# Altium PCB PCB_Amplifier_mini.PcbDoc (part 2 of 2)
Units mm, origin at the board's own origin, x right, y up, seen from the top; angles counter-clockwise.
Board outline 75.73 x 87.25 mm, 4 copper layers (Top Layer, GND, VDD, Bottom Layer); 213 components, 159 nets, 674 pads, 328 vias.
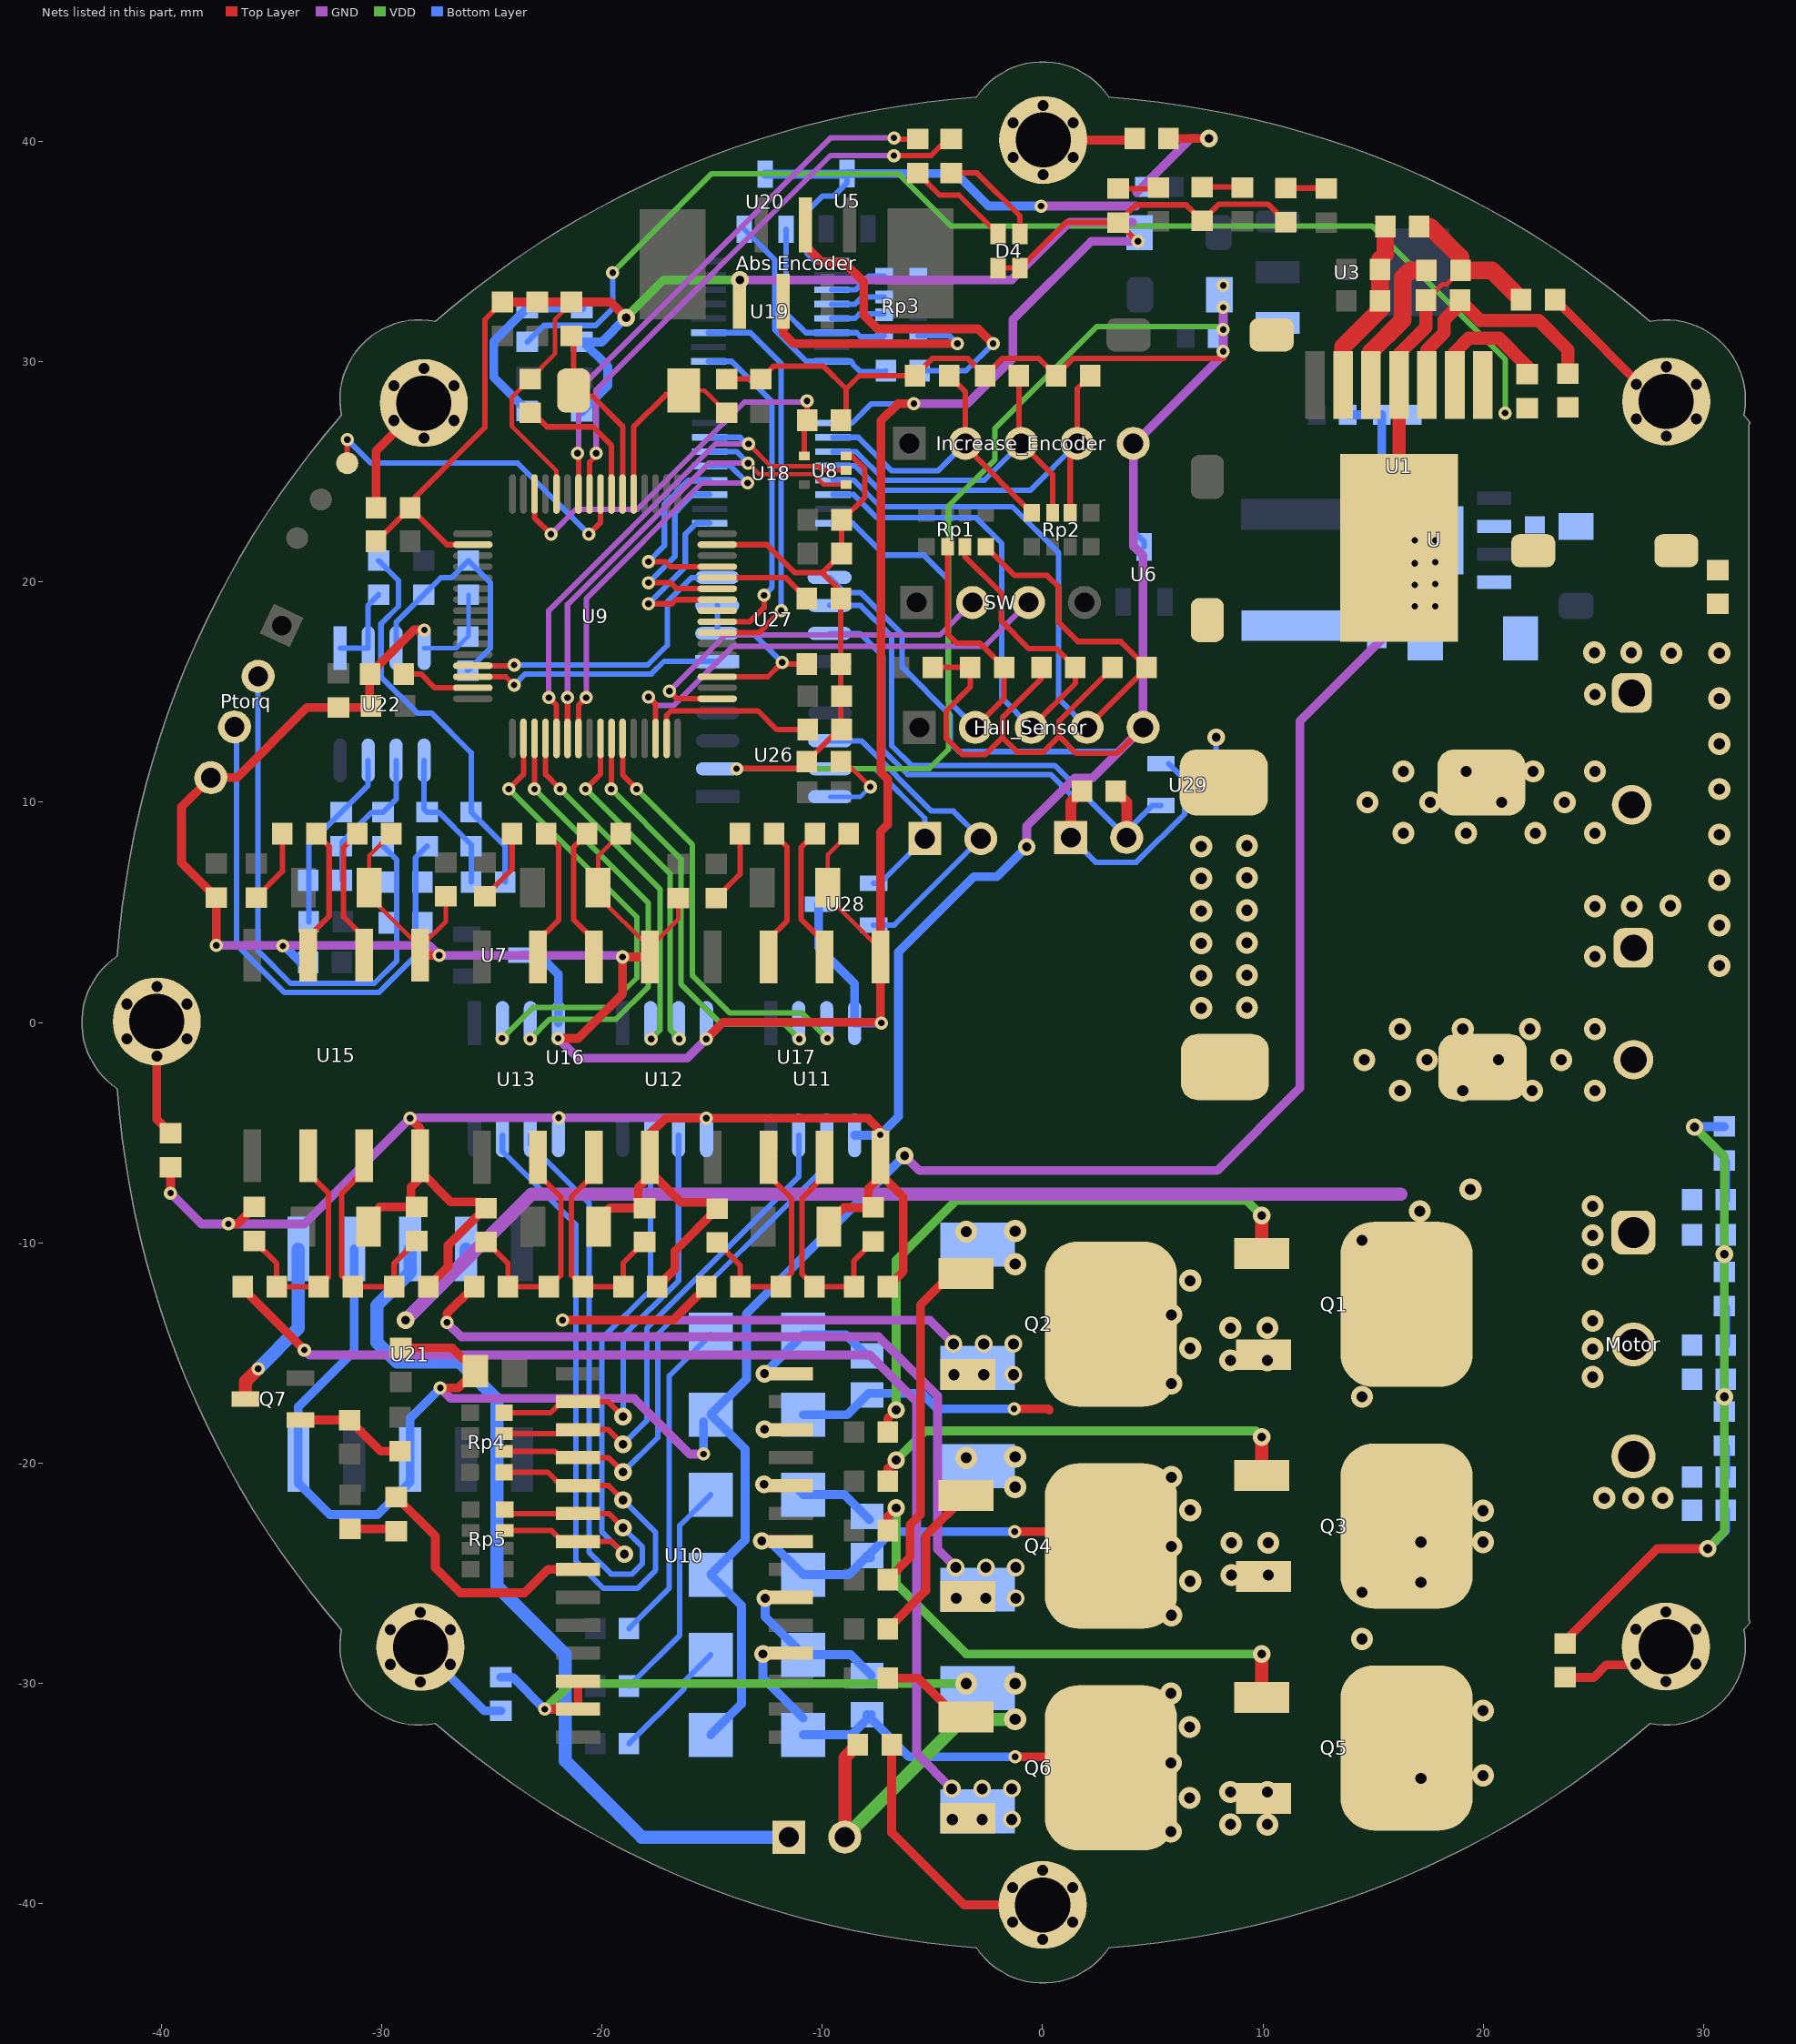
[diagram p4: the nets of this part, all layers, seen from the top]

## Via types
v1: diameter 0.6, hole 0.3, Top Layer to Bottom Layer, 125 vias
v2: diameter 1, hole 0.5, Top Layer to Bottom Layer, 109 vias
v3: diameter 0.8, hole 0.5, Top Layer to Bottom Layer, 60 vias
v4: diameter 0.8, hole 0.4, Top Layer to Bottom Layer, 34 vias

## Nets (pads, with @x,y where several pads share a name; then routed paths per layer and width w, separated by ;. In a path a pad name is that pad's centre, name@x,y a point inside that pad or via, vN(x,y) a via of type N, cw(c..) or ccw(c..) an arc to the next point about the centre after c; other vN are vias at no path point) (continued)
GND: "Abs Encoder.6" Brake.2 C1.1 C2.1 C3.2 C4.2 C5.2 C6.1 C7.1 C8.1 C9.1 C10.1 C11.1 C12.1 C24.1 C30.1 C32.1 C33.1 C34.1 C35.1 C40.1 C42.1 C43.1 C44.1 C45.1 C50.1 C52.1 C53.1 C54.1 C55.1 C60.1 C61.1 C62.1 C63.1 C64.1 C65.1 C66.1 C67.1 C70.2 C71.1 C73.2 C74.2 C75.1 C76.1 C77.2 C79.1 C80.1 C88.1 C91.1 C92.1 C93.1 C94.1 C95.1 C96.1 C97.1 C140.1 C153.1 Cin1.2 Cin2.2 Cin.1 Co2.1 Co4.1 Co6.1 Cout.2 Css.1 D1.K D2.K D3.K D4.3 D4.4 D6.1 D8.1 D10.1 Hall_Sensor.5 Increase_Encoder.5 Ptorq.4 R1.1 R2.1 R3.2 R5.2 R26.1 R27.1 R28.1 R31.1 R32.1 R33.1 R35.1 R37.2 R45.1 R47.2 R55.1 R57.2 R76.1 R86.1 R102.1 Renb.1 Rfbb.1 T1.1 U1.4 U1.8 U3.3 U5.3 U6.3 U7.3 U8.3 U9.12 U9.18 U9.63 U10.12 U10.13 U11.4 U11.5 U12.4 U12.5 U13.4 U13.5 U15.4 U15.5 U16.4 U16.5 U17.4 U17.5 U18.9 U19.9 U20.3 U21.2 U21.8 U21.10 U22.4 U26.2 U27.5 U28.3 U29.3 U.6 U.9 Vin_I.1 Vin_II.1 | length 741.9
  Top Layer w0.2: R37.2@-29.58,8.575 -30.585,7.57 C34.1@-30.585,6.125 -30.585,5.735 -28.265,3.415 -27.1,4.58 C45.1@-27.1,5.73 ; U9.12@-22.075,24 -22.075,25.05 -24.1,27.075 -24.1,28.403 C3.2@-23.275,29.228 -22.15,30.353 -22.15,31.925 C4.2@-21.55,32.525 ; R47.2@-19.155,8.575 -20.185,7.545 C44.1@-20.185,6.125 -20.185,5.735 -17.84,3.39 -16.55,4.68 C55.1@-16.55,5.655 ; R57.2@-8.805,8.575 -9.76,7.62 C54.1@-9.76,6.125 -9.76,5.71 U17.5@-7.365,3.315 ; Renb.1@17.425,32.8 18.15,33.525 18.345,33.525 Css.1@18.97,34.15
  Top Layer w0.25: C10.1@-30.27,21.85 -30.255,21.85 C93.1@-28.73,23.375 -28.73,23.62 -25.325,27.025 -25.325,31.92 C11.1@-24.525,32.72 ; C93.1@-28.725,23.375 -27.05,21.7 U9.18@-25.875,21.7 ; U9.63@-14.775,21.7 -12.525,21.7 -11.25,20.425 -10.005,20.425 ; C5.2@-14.35,29.228 C6.1@-12.8,29.228 -12.228,29.8 -9.95,29.8 -8.925,28.775 ; v1(-13.9,11.525) -13.875,11.55 -11.005,11.55 R5.2@-10.705,11.85 -9.22,13.335 -9.165,13.335 R1.1@-9.165,19.25 -9.165,19.585 -10.005,20.425 ; U8.3@-8.925,25.725 -8.675,25.725 -8.075,25.125 -8.075,23.85 -9.1,22.825 C60.1@-9.13,22.825 C7.1@-9.13,21.3 -10.005,20.425 ; R2.1@-8.925,27.35 -8.925,28.775 ; C61.1@-4.98,16.125 C62.1@-3.287,16.125 -3.287,15.238 -4.375,14.15 -4.375,12.9 -3.65,12.175 -2.6,12.175 -1.825,12.95 ; D4.4@-2.025,34.26 D4.3@-1.025,34.26 1.045,36.33 D3.K@3.425,36.33 ; C63.1@-0.053,16.125 -0.053,15.622 -1.825,13.85 -1.825,12.95 ; C64.1@3.18,16.125 0.75,13.695 0.75,13 ; v1(4.325,35.475) 4.28,35.475 D3.K@3.425,36.33 ; Hall_Sensor.5@4.56,13.4 3.385,12.225 1.525,12.225 0.75,13 ; 8.215,30.165 1.4,30.165 C67.1@0.61,29.375 -0.165,30.15 -1.84,30.15 C66.1@-2.615,29.375 -3.39,30.15 -5.015,30.15 C65.1@-5.79,29.375 -8.325,29.375 -8.925,28.775 ; D1.K@11.047,36.355 10.232,37.17 8.001,37.17 D2.K@7.236,36.405 6.511,37.13 4.225,37.13 D3.K@3.425,36.33 ; -1.825,12.95 -1.15,12.275 0.025,12.275 0.75,13
  Top Layer w0.4: v1(-39.6,-7.75) C94.1@-39.6,-6.57 ; v1(-37.525,3.5) C35.1@-37.525,5.68 -39.1,7.255 -39.1,9.789 Ptorq.4@-37.77,11.119 -36.581,11.119 -33.395,14.305 C140.1@-31.975,14.305 -30.565,14.305 -30.565,15.805 C2.1@-30.545,15.825 -28.545,17.825 v1(-28.075,17.825) ; v1(-36.975,-9.15) -36.57,-9.15 C33.1@-35.8,-8.38 ; C30.1@-30.61,-9.275 -30.61,-8.885 -30.105,-8.38 C32.1@-28.425,-8.38 -28.675,-8.13 -28.675,-7.475 -28.265,-7.065 U15.4@-28.265,-6.76 ; C153.1@-29.15,-14.78 -26.81,-14.78 C24.1@-25.765,-15.825 -26.54,-16.6 v1(-27.35,-16.6) ; v1(-28.725,-4.35) -28.265,-4.81 U15.4@-28.265,-6.05 U15.4@-28.265,-6.76 ; U15.5@-28.265,3.05 v1(-27.4,3.05) ; R35.1@-27.905,-12 -27,-11.095 -27,-10.125 -25.555,-8.68 -25.555,-8.15 -26.875,-8.15 U15.4@-28.265,-6.76 ; C11.1@-24.525,32.72 C12.1@-22.95,32.72 C4.2@-21.4,32.72 -19.62,32.72 v4(-18.912,32.013) ; v1(-22.61,-31.19) U10.13@-21.1,-31.19 U10.12@-21.1,-29.92 ; v1(-22,-0.725) -21.1,-0.725 -19.075,1.3 v1(-19.075,2.975) U16.5@-17.84,2.975 ; C40.1@-20.16,-9.275 -20.16,-8.935 -19.655,-8.43 C42.1@-18.075,-8.43 -18.375,-8.13 -18.375,-7.525 -17.84,-6.99 U16.4@-17.84,-6.76 ; R45.1@-17.505,-12 -16.7,-11.195 -16.7,-10.38 C53.1@-14.775,-8.455 ; v1(-15.275,-0.75) -14.51,0.015 -7.365,0.015 U17.5@-7.365,2.975 -7.365,3.315 -7.365,8.66 -7.04,8.985 -7.04,11.048 -7.345,11.353 -7.345,27.33 -6.575,28.1 v1(-5.85,28.1) ; C53.1@-15.055,-8.175 -16.425,-8.175 U16.4@-17.84,-6.76 ; C50.1@-9.71,-9.275 -9.71,-9.085 -9.03,-8.405 C52.1@-7.7,-8.405 -7.925,-8.18 -7.925,-7.575 -7.365,-7.015 U17.4@-7.365,-6.885 ; U17.4@-7.365,-6.125 U17.4@-7.365,-6.885 ; v1@-7.365,-4.91 -7.925,-4.35 v1(-15.275,-4.35) -17.125,-4.35 -17.84,-5.065 U16.4@-17.84,-6.125 U16.4@-17.84,-6.76 ; R55.1@-7.03,-12 -6.325,-11.295 -6.325,-7.925 U17.4@-7.365,-6.885 ; C92.1@5.72,40.15 v4(7.55,40.15) ; C97.1@23.725,-28.205 23.725,-28.075 27.9,-23.9 v4(30.2,-23.9)
  Top Layer w0.6: Brake.2@-8.985,-37 -8.985,-33.39 C96.1@-8.395,-32.8 ; U1.8@16.175,23.05 16.175,30.35 17.405,31.58 Renb.1@17.405,32.8
  Top Layer w0.8: Rfbb.1@17.095,36.15 17.575,36.15 18.97,34.755 Css.1@18.97,34.15 20.405,34.15 C91.1@21.73,32.825
  GND w0.4: v1(-39.6,-7.75) -38.2,-9.15 v1(-36.975,-9.15) -33.525,-9.15 v1(-28.725,-4.35) -28.7,-4.325 v1(-21.975,-4.325) -15.3,-4.325 v1(-15.275,-4.35) ; v1(-37.525,3.5) -27.85,3.5 v1(-27.4,3.05) -19.15,3.05 v1(-19.075,2.975) ; v1(-27.35,-16.6) -26.875,-17.075 -18.55,-17.075 -16.025,-19.6 v1(-15.4,-19.6) v1@-15.425,-19.575 ; v1(-22,-0.725) -21.1,-1.625 -16.15,-1.625 v1(-15.275,-0.75) ; v4(-13.75,33.725) -1.4,33.725 1.225,36.35 4.075,36.35 ; v4(-6.275,-6.05) -5.6,-6.725 7.925,-6.725 11.675,-2.975 11.675,13.675 v1(16.9,18.9) ; v1(-5.85,28.1) -3.425,28.1 -1.35,30.175 -1.35,31.925 2.2,35.475 v1(4.325,35.475) ; v4(-0.725,7.975) -0.725,8.925 1.45,11.1 2.26,11.1 Hall_Sensor.5@4.56,13.4 4.56,21.19 4.125,21.625 4.125,26.25 8.2,30.325 v1(8.2,32.475) ; v1(-0.075,37.075) 4.25,37.075 ; 4.275,37.7 6.725,40.15 v4(7.55,40.15)
  VDD w0.25: v1(-13.9,11.525) -5.15,11.525 -4.275,12.4 -4.275,23.45 -2.175,25.55 -2.175,26.975 2.46,31.61 8.065,31.61 v1(8.2,31.475)
  VDD w0.4: v1(-22.61,-31.19) -21.445,-30.025 v2(-3.475,-30.025) ; v4(-18.912,32.013) -17.2,33.725 v4(-13.75,33.725) ; v4(29.6,-4.75) 30.95,-6.1 v4(30.95,-17) 30.95,-23.13 30.19,-23.89 v4(30.2,-23.9)
  VDD w0.6: Brake.2@-8.985,-37 -3.635,-31.65 v2(-1.25,-31.65)
  Bottom Layer w0.2: U22.4@-28.09,17 -26.62,17 C80.1@-26.1,17.52 -26.075,17.545 R86.1@-26.075,19.43
  Bottom Layer w0.25: U27.5@-9.675,20.21 -8.99,19.525 -8.27,19.525 -6.375,17.63 -6.375,16.135 -4.2,13.96 -4.2,12.7 -3.8,12.3 3.46,12.3 Hall_Sensor.5@4.56,13.4 ; U19.9@-9.575,34.575 -10.35,34.575 -10.7,34.925 -10.7,36.825 -10,37.525 -9.5,37.525 -8.875,38.15 U5.3@-8.875,38.55 ; U18.9@-9.525,27.225 -8.65,27.225 -7.775,28.1 v1(-5.85,28.1) ; Increase_Encoder.5@4.125,26.285 4.125,22.325 4.6,21.85 U6.3@4.6,21.6 ; U29.3@7.875,10.8 v4(7.875,12.95)
  Bottom Layer w0.4: v1@-34.4,3.425 -33.7,2.725 C88.1@-33.355,2.725 ; U21.2@-31.26,-10.29 -31.26,-14.91 -33.8,-17.45 U21.10@-33.8,-19.85 -33.8,-20.925 -32.375,-22.35 -30.2,-22.35 -28.72,-20.87 U21.8@-28.72,-19.85 -28.72,-17.97 v1(-27.35,-16.6) ; C95.1@-24.6,-29.73 -24.07,-29.73 v1(-22.61,-31.19) ; U7.3@-23.65,3.05 -22.85,3.05 -21.99,2.19 U13.4@-21.99,-0.025 ; C79.1@-20.925,27.745 -19.75,28.92 -19.75,29.8 R102.1@-20.855,30.905 ; R102.1@-20.925,30.905 R102.1@-20.855,30.905 ; v4(-18.912,32.013) -20.02,30.905 R102.1@-20.855,30.905 ; v1(-15.4,-19.6) D6.1@-15.4,-18.135 ; D10.1@-15.075,-32.35 -13.675,-30.95 -13.675,-26.48 D8.1@-15.075,-25.08 -13.51,-23.515 -13.51,-19.375 D6.1@-15.075,-17.81 -13.45,-16.185 -13.45,-13.225 v4(-6.275,-6.05) ; U20.3@-12.6,38.525 U5.3@-8.9,38.525 ; U28.3@-10.175,5.375 -10.175,3.4 -8.54,1.765 U11.4@-8.54,-0.025 v1(-7.325,-0.025) ; U5.3@-8.875,38.55 -3.925,38.55 -2.45,37.075 v1(-0.075,37.075) ; U11.5@-8.54,-5.125 -7.4,-5.125 v1(-7.375,-5.1) -6.55,-4.275 -6.55,3.2 -3.125,6.625 -2.075,6.625 v4(-0.725,7.975) ; v4@29.62,-4.73 R31.1@30.95,-4.73 ; v4(30.2,-23.9) 31.02,-23.08 Co6.1@31.02,-22.15
  other v1: -34.5,3.475 17.825,18.9 16.9,19.875 17.825,19.917 16.9,20.85 17.825,20.908 16.9,21.9 17.825,21.9 8.2,30.475 8.2,33.475
  other v2: -1.25,-30.025 -1.25,-21.1 -3.475,-19.775 -1.25,-19.725 -1.25,-10.975 -3.475,-9.5 -1.25,-9.475 7.2,0.65 9.275,0.675 7.2,2.122 9.275,2.147 30.725,2.575 25.075,3 7.2,3.594 9.275,3.619 30.725,4.411 7.2,5.066 9.275,5.091 25.075,5.275 26.75,5.275 28.5,5.3 30.725,6.471 7.2,6.538 9.275,6.563 7.2,8 9.275,8.025 30.725,8.532 30.725,10.593 30.725,12.654 30.725,14.714 25.075,14.9 28.55,16.775 30.725,16.775 25.05,16.8 26.725,16.8
  other v4: 30.95,-10.525
HIN1: Rp4.4 U10.2 U12.6 | length 19.7
  Top Layer w0.25: Rp4.4@-24.455,-17.725 -22.35,-17.725 -21.845,-17.22 U10.2@-21.1,-17.22 -19.73,-17.22 v4(-19.05,-17.9)
  Bottom Layer w0.25: v4(-19.05,-17.9) -19.05,-14.25 -16.535,-11.735 U12.6@-16.535,-5.125
HIN2: Rp4.3 U10.3 U11.7 | length 23.1
  Top Layer w0.25: Rp4.3@-24.455,-18.675 -22,-18.675 -21.815,-18.49 U10.3@-21.1,-18.49 -19.723,-18.49 v4(-19.05,-19.163)
  Bottom Layer w0.25: v4(-19.05,-19.163) -17.975,-18.088 -17.975,-13.9 -11.08,-7.005 U11.7@-11.08,-5.125
HIN3: Rp4.2 U10.4 U11.6 | length 24.9
  Top Layer w0.25: Rp4.2@-24.455,-19.475 -22.15,-19.475 -21.865,-19.76 U10.4@-21.1,-19.76 -19.715,-19.76 v4(-19.05,-20.425)
  Bottom Layer w0.25: v4(-19.05,-20.425) -17.475,-18.85 -17.475,-14.15 -9.81,-6.485 U11.6@-9.81,-5.125
LIN1: Rp4.1 U10.5 U13.7 | length 34.9
  Top Layer w0.25: Rp4.1@-24.455,-20.425 -22.475,-20.425 -21.87,-21.03 U10.5@-21.1,-21.03 -19.707,-21.03 v4(-19.05,-21.688)
  Bottom Layer w0.25: U13.7@-24.53,-5.125 -24.53,-5.845 -21.2,-9.175 -21.2,-24.45 -19.95,-25.7 -18.4,-25.7 -17.575,-24.875 -17.575,-23.163 v4(-19.05,-21.688)
LIN2: Rp5.4 U10.6 U13.6 | length 30.5
  Top Layer w0.25: Rp5.4@-24.255,-22.3 U10.6@-21.1,-22.3 -19.7,-22.3 v4(-19.05,-22.95)
  Bottom Layer w0.25: U13.6@-23.26,-5.125 -23.26,-5.54 -20.6,-8.2 -20.6,-24.05 -19.6,-25.05 -18.65,-25.05 -18.175,-24.575 -18.175,-23.825 v4(-19.05,-22.95)
LIN3: Rp5.3 U10.7 U12.7 | length 26.2
  Top Layer w0.25: Rp5.3@-24.43,-23.075 -22.3,-23.075 -21.805,-23.57 U10.7@-21.1,-23.57 -19.58,-23.57 v4(-19,-24.15)
  Bottom Layer w0.25: v4(-19,-24.15) -20.025,-23.125 -20.025,-14.375 -17.805,-12.155 U12.7@-17.805,-5.125
NetBrake_1: Brake.1 U21.3 | length 40.7
  Bottom Layer w0.6: U21.3@-28.72,-10.29 -28.72,-11.345 -30.225,-12.85 -30.225,-14.525 -29.325,-15.425 -26.475,-15.425 -24.775,-17.125 -24.775,-25.6 -21.675,-28.7 -21.675,-33.525 -18.2,-37 Brake.1@-11.525,-37
NetC1_2: C1.2 U9.47 | length 7.9
  Top Layer w0.25: U9.47@-17.075,12.9 -17.075,13.95 -16.875,14.15 -12.925,14.15 -12.075,13.3 C1.2@-10.67,13.3
NetC2_2: C2.2 U9.31 | length 3.4
  Top Layer w0.25: C2.2@-29.005,15.825 -28.225,15.825 -27.6,15.2 U9.31@-25.875,15.2
NetC3_1: C3.1 U9.7 | length 6.5
  Top Layer w0.25: C3.1@-23.275,27.688 -23.138,27.688 -22.5,27.05 -20.425,27.05 -19.575,26.2 U9.7@-19.575,24
NetC4_1: C4.1 U9.6 Y1.1 | length 8.2
  Top Layer w0.25: Y1.1@-21.3,28.45 -20.45,28.45 -19.075,27.075 U9.6@-19.075,24 ; Y1.1@-21.3,28.7 C4.1@-21.3,31.08
NetC5_1: C5.1 U9.5 Y1.2 | length 8.3
  Top Layer w0.2: Y1.2@-16.3,28.7 -15.362,28.7 C5.1@-14.35,27.688
  Top Layer w0.25: U9.5@-18.575,24 -18.575,27.05 -17.1,28.525 Y1.2@-16.3,28.525
NetC21_1: C21.1 D5.2 U10.28 | length 5.8
  Bottom Layer w0.4: v4(-12.625,-15.95) -12.625,-15.925 D5.2@-10.875,-14.175 -8.935,-14.175 C21.1@-7.975,-15.135
NetC22_1: C22.1 D7.2 U10.24 | length 6.6
  Top Layer w0.6: v4@-12.595,-21.03 U10.24@-11.425,-21.03
  Bottom Layer w0.4: v4(-12.65,-20.975) -11.345,-20.975 D7.2@-10.875,-21.445 -9.005,-21.445 C22.1@-7.87,-22.58
NetC23_1: C23.1 D9.2 U10.20 | length 6.8
  Bottom Layer w0.4: v4(-12.6,-26.15) -12.6,-26.99 D9.2@-10.875,-28.715 -8.72,-28.715 C23.1@-7.775,-29.66
NetC31_1: C31.1 C32.2 R35.2 U15.3 | length 10.3
  Top Layer w0.25: U15.3@-30.805,-6.73 -31.825,-7.75 -31.825,-11.505 C31.1@-31.33,-12 R35.2@-29.445,-12 -29.445,-10.94 C32.2@-28.425,-9.92
NetC31_2: C31.2 C33.2 R34.2 U15.2 | length 10.1
  Top Layer w0.25: C33.2@-35.8,-9.92 -34.78,-10.94 R34.2@-34.78,-12 C31.2@-32.87,-12 -32.425,-11.555 -32.425,-7.75 U15.2@-33.345,-6.83
NetC41_1: C41.1 C42.2 R45.2 U16.3 | length 10
  Top Layer w0.25: U16.3@-20.38,-6.905 -21.4,-7.925 -21.4,-11.48 C41.1@-20.88,-12 R45.2@-19.045,-12 -19.045,-10.92 -18.095,-9.97 C42.2@-18.075,-9.97
NetC41_2: C41.2 C43.2 R44.2 U16.2 | length 10.1
  Top Layer w0.25: C43.2@-25.275,-9.97 -25.255,-9.97 -24.28,-10.945 R44.2@-24.28,-12 C41.2@-22.42,-12 -22.4,-12 -21.875,-11.475 -21.875,-7.925 U16.2@-22.92,-6.88
NetC51_1: C51.1 C52.2 R55.2 U17.3 | length 9.9
  Top Layer w0.25: U17.3@-9.905,-6.955 -10.925,-7.975 -10.925,-11.43 C51.1@-10.355,-12 R55.2@-8.57,-12 -8.57,-10.815 C52.2@-7.7,-9.945
NetC51_2: C51.2 C53.2 R54.2 U17.2 | length 10
  Top Layer w0.25: C53.2@-14.775,-9.995 -13.73,-11.04 R54.2@-13.73,-12 C51.2@-11.895,-12 -11.895,-11.87 -11.4,-11.375 -11.4,-8 U17.2@-12.445,-6.955
NetC62_2: C62.2 Hall_Sensor.2 Rp1.2 U18.16 | length 24
  Top Layer w0.25: Rp1.2@-4.325,21.605 -4.325,17.65 -3.9,17.225 -2.847,17.225 C62.2@-1.747,16.125 -1.747,14.713 Hall_Sensor.2@-3.06,13.4
  Bottom Layer w0.25: U18.16@-9.525,22.675 -8.625,22.675 -7.175,21.225 -5.4,21.225 -4.3,20.125 -4.3,14.64 Hall_Sensor.2@-3.06,13.4
NetC63_2: C63.2 Hall_Sensor.3 Rp1.3 U18.14 | length 29.3
  Top Layer w0.25: Rp1.3@-3.525,21.605 -3.525,21.15 -1.875,19.5 -1.875,18.225 -0.625,16.975 0.637,16.975 C63.2@1.487,16.125 1.487,15.407 Hall_Sensor.3@-0.52,13.4
  Bottom Layer w0.25: U18.14@-9.525,23.975 -8.575,23.975 -7.525,22.925 -3.025,22.925 -1.85,21.75 -1.85,14.73 Hall_Sensor.3@-0.52,13.4
NetC64_2: C64.2 Hall_Sensor.4 Rp1.4 U18.13 | length 34.4
  Top Layer w0.25: Rp1.4@-2.575,21.605 -1.27,20.3 0.2,20.3 0.725,19.775 0.725,18.175 1.6,17.3 3.545,17.3 C64.2@4.72,16.125 4.72,16.1 Hall_Sensor.4@2.02,13.4
  Bottom Layer w0.25: U18.13@-9.525,24.625 -8.575,24.625 -7.375,23.425 -1.375,23.425 0.725,21.325 0.725,14.695 Hall_Sensor.4@2.02,13.4
NetC65_2: C65.2 Increase_Encoder.2 Rp2.4 U18.10 | length 14.8
  Top Layer w0.25: C65.2@-4.25,29.375 -3.51,28.635 Increase_Encoder.2@-3.51,26.3 ; Increase_Encoder.2@-3.51,26.155 Rp2.4@-0.5,23.145
  Bottom Layer w0.25: U18.10@-9.525,26.575 -8.375,26.575 -6.85,25.05 -4.76,25.05 Increase_Encoder.2@-3.51,26.3
NetC66_2: C66.2 Increase_Encoder.3 Rp2.3 U18.11 | length 16.5
  Top Layer w0.25: Increase_Encoder.3@-1.075,26.405 C66.2@-1.075,29.375 ; Increase_Encoder.3@-0.97,26.3 0.45,24.88 Rp2.3@0.45,23.145
  Bottom Layer w0.25: U18.11@-9.525,25.925 -8.475,25.925 -7.175,24.625 -2.645,24.625 Increase_Encoder.3@-0.97,26.3
NetC67_2: C67.2 Increase_Encoder.4 Rp2.2 U18.12 | length 18.6
  Top Layer w0.25: Rp2.2@1.25,23.145 Increase_Encoder.4@1.25,25.98 ; Increase_Encoder.4@1.57,26.3 1.57,28.795 C67.2@2.15,29.375
  Bottom Layer w0.25: U18.12@-9.525,25.275 -8.5,25.275 -7.4,24.175 -0.555,24.175 Increase_Encoder.4@1.57,26.3
NetC72_1: C72.1 L1.2 T1.2 U.8
NetC72_2: C72.2 U.1
NetC80_2: C80.2 R85.1 R86.2 U22.3 | length 11.4
  Bottom Layer w0.25: U22.3@-29.36,17 -29.36,18.17 R85.1@-28.1,19.43 -27.33,20.2 -26.845,20.2 R86.2@-26.075,20.97 -25.075,19.97 -25.075,17.005 C80.2@-26.1,15.98
NetC86_1: C86.1 R95.1 R96.1 U22.5 | length 6.7
  Bottom Layer w0.25: U22.5@-28.09,11.9 -28.09,9.685 R95.1@-27.95,9.545 -27.42,9.545 -25.945,8.07 C86.1@-25.945,6.375
NetC87_1: C87.1 R94.1 R97.1 U22.6 | length 6.8
  Bottom Layer w0.25: C87.1@-31.815,6.45 -31.815,8.185 -30.455,9.545 R94.1@-29.95,9.545 -29.36,10.135 U22.6@-29.36,11.9
NetC87_2: C87.2 R97.2 R99.1 U22.7 | length 8.4
  Bottom Layer w0.25: R99.1@-33.32,4.575 -33.32,8.075 R97.2@-31.85,9.545 -30.63,10.765 U22.7@-30.63,11.9
NetC91_2: C91.2 MH1.1 | length 6.5
  Top Layer w0.4: C91.2@23.27,32.825 MH1.1@27.895,28.2
  other v3: 28.315,26.625 26.951,27.412 29.679,27.413 26.951,28.987 29.679,28.988 28.315,29.775
NetC92_2: C92.2 MH2.1 | length 4.1
  Top Layer w0.4: MH2.1@0.025,40.075 C92.2@4.105,40.075
  other v3: 0.025,38.5 -1.339,39.287 1.389,39.288 -1.339,40.862 1.389,40.863 0.025,41.65
NetC93_2: C93.2 MH3.1 | length 5.6
  Top Layer w0.4: C93.2@-30.27,23.375 -30.27,25.955 MH3.1@-28.1,28.125
  other v3: -28.1,26.55 -29.464,27.337 -26.736,27.338 -29.464,28.912 -26.736,28.913 -28.1,29.7
NetC94_2: C94.2 MH4.1 | length 5.3
  Top Layer w0.4: MH4.1@-40.225,0.05 -40.225,-4.405 C94.2@-39.6,-5.03
  other v3: -40.225,-1.525 -41.589,-0.738 -38.861,-0.737 -41.589,0.837 -38.861,0.838 -40.225,1.625
NetC95_2: C95.2 MH5.1 | length 4.9
  Bottom Layer w0.4: MH5.1@-28.254,-28.371 -25.355,-31.27 C95.2@-24.6,-31.27
  other v3: -28.254,-29.946 -29.618,-29.159 -26.89,-29.158 -29.618,-27.584 -26.89,-27.583 -28.254,-26.796
NetC96_2: C96.2 MH6.1 | length 12.2
  Top Layer w0.4: C96.2@-6.855,-32.8 -6.855,-36.795 -3.575,-40.075 MH6.1@0,-40.075
  other v3: 0,-41.65 -1.364,-40.863 1.364,-40.862 -1.364,-39.288 1.364,-39.287 0,-38.5
NetC97_2: C97.2 MH7.1 | length 5.2
  Top Layer w0.4: C97.2@23.725,-29.745 25.03,-29.745 25.6,-29.175 27.475,-29.175 MH7.1@28.3,-28.35
  other v3: 28.3,-29.925 26.936,-29.138 29.664,-29.137 26.936,-27.563 29.664,-27.562 28.3,-26.775